# Altium PCB OCP-TimeCardMini-TI_V1.PcbDoc (part 7 of 11) (continued)
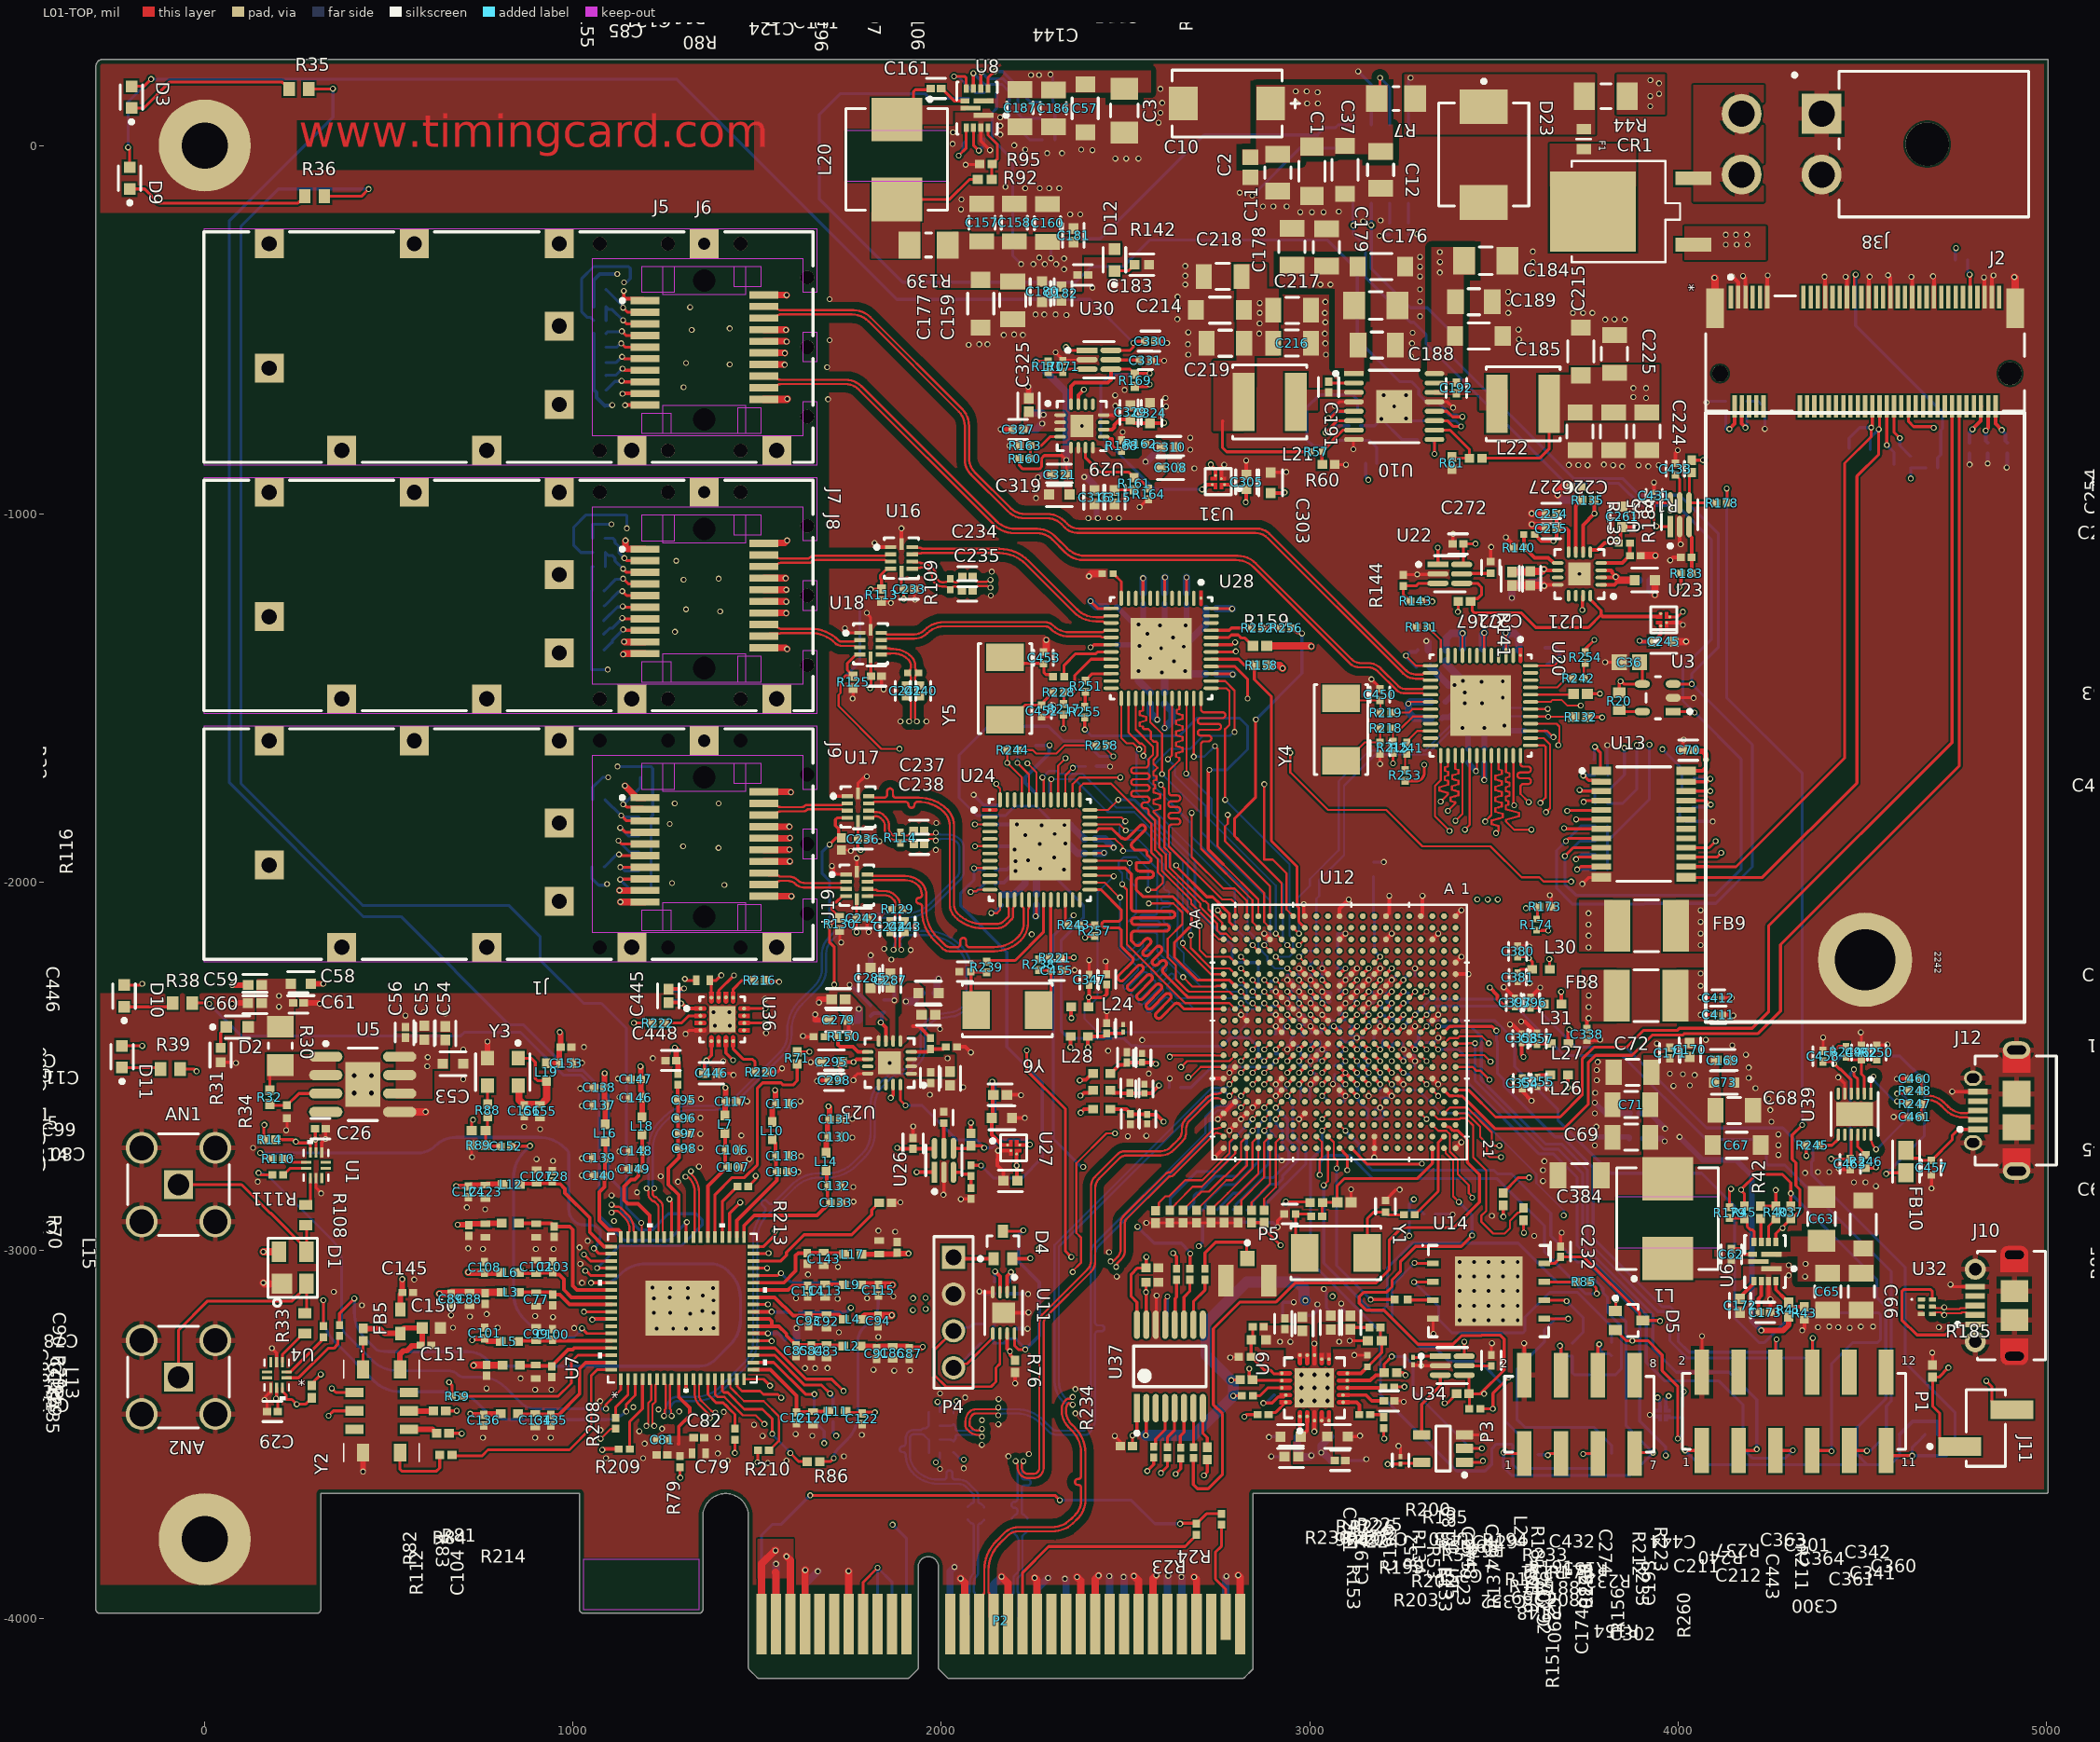
[diagram p0: L01-TOP view]
## Nets (pads, with @x,y where several pads share a name; then routed paths per layer and width w, separated by ;. In a path a pad name is that pad's centre, name@x,y a point inside that pad or via, vN(x,y) a via of type N, cw(c..) or ccw(c..) an arc to the next point about the centre after c; other vN are vias at no path point) (continued)
  L01-TOP w10: U7.27@1489.88,-3166.44 v1(1539.18,-3166.44)
  L10-BOT w10: v1(1539.18,-3166.44) 1540.15,-3167.41 1580.81,-3167.41 R58.1@1581.78,-3168.38
NetR59_2: R59.2 U7.70 | length 483.4
  L01-TOP w7.27: R59.2@700.76,-3396.22 959.48,-3396.22 995.17,-3360.53 995.17,-3302.43 1013.02,-3284.58 U7.70@1103.88,-3284.58
NetR62_1: R62.1 U2.2 | length 54.4
  L10-BOT w8: R62.1@3216.88,-210.63 3217.23,-210.29 3217.23,-156.84 U2.2@3217.57,-156.5
NetR64_1: R64.1 U2.1 | length 54.1
  L10-BOT w8: R64.1@3267.57,-210.63 U2.1@3267.57,-156.5
NetR69_2: R69.2 U14.1 | length 816.8
  L01-TOP w8: v1(3284.35,-3034.01) 3285.74,-3035.4 U14.1@3334.77,-3035.4 ; v1@3287.68,-3030.6 v1@3287.72,-3030.64
  L10-BOT w8: v1(3284.35,-3034.01) 3224.03,-3094.34 3224.03,-3186.95 3300.78,-3263.7 3340.64,-3263.7 3377.57,-3300.63 3460.62,-3300.63 3531.22,-3371.22 3531.22,-3463.38 3584.25,-3516.42 R69.2@3584.25,-3553.57
NetR76_1: R76.1 U11.7 | length 81.5
  L01-TOP w10: U11.7@2178.76,-3225.52 2178.76,-3266.83 v1(2186.04,-3274.11) 2187.19,-3275.25 2187.19,-3284.22 2200.17,-3297.2 R76.1@2200.17,-3298.19
NetR77_2: R77.2 U11.3 | length 89.8
  L01-TOP w10: v1(2146.01,-3057.01) 2159.08,-3070.07 U11.3@2159.08,-3113.28
  L10-BOT w10: R77.2@2144.1,-3084.31 2145.06,-3083.35 2145.06,-3057.96 v1(2146.01,-3057.01)
NetR78_1: R78.1 U11.2 | length 87.1
  L01-TOP w10: U11.2@2178.76,-3113.28 2178.76,-3068.9 v1(2189.11,-3058.55)
  L10-BOT w10: R78.1@2183.47,-3084.31 2187.96,-3079.81 2187.96,-3059.69 v1(2189.11,-3058.55)
NetR81_2: R81.2 Y2.6 | length 194
  L01-TOP w8: Y2.6@530.14,-3548.97 530.14,-3594.48 534.82,-3599.17 629.36,-3599.17 637.78,-3590.75 R81.2@637.78,-3555.36
NetR82_2: R82.2 Y2.1 | length 77.3
  L01-TOP w8: Y2.1@430.14,-3322.59 R82.2@430.14,-3245.28
NetR83_1: R83.1 Y2.7 | length 80.3
  L01-TOP w15: Y2.7@553.96,-3485.78 617.96,-3485.78 628.77,-3496.6 R83.1@629.76,-3496.6
NetR84_1: R84.1 Y2.8 | length 66.9
  L01-TOP w15: Y2.8@553.96,-3435.78 R84.1@620.88,-3435.78
NetR85_2: R85.2 U14.7 | length 90
  L01-TOP w8: U14.7@3637.65,-3084.88 U14.7@3637.13,-3085.4 3725.85,-3085.4 R85.2@3726.22,-3085.77
NetR88_1: R88.1 Y3.4 | length 50.2
  L01-TOP w8: R88.1@767.98,-2603.16 Y3.4@767.98,-2553.01
NetR90_2: R90.2 U8.3 | length 219.9
  L01-TOP w8: U8.3@2126.64,154.82 2126.64,184.03 2144.78,202.17 v1(2146.37,202.17)
  L10-BOT w8: v1(2146.37,202.17) 2147.53,201.01 2166.37,201.01 2231.31,136.07 2231.31,129.17 2242.64,117.84 R90.2@2270.87,117.84
NetR91_2: R91.2 U8.4 | length 297.4
  L01-TOP w8: U8.4@2106.95,154.82 2106.95,196.76 v1(2109.12,198.93)
  L10-BOT w8: v1(2109.12,198.93) 2126.96,181.09 2167.9,181.09 2207.78,141.21 2207.78,86.7 2220.31,74.17 2267.25,74.17 R91.2@2274.81,66.61
NetR92_1: R92.1 R95.2 U8.12 | length 158
  L01-TOP w8: U8.12@2126.64,48.52 2126.64,28.26 2152.13,2.77 2152.13,-35.54 2146.37,-41.3 2146.37,-42.28 2138.56,-50.09 R95.2@2137.57,-50.09 2136.53,-51.14 R92.1@2136.53,-91.92
NetR93_2: R93.2 U8.5 | length 348.5
  L01-TOP w8: v1(2086.8,196.17) 2086.8,155.29 U8.5@2087.27,154.82
  L10-BOT w8: v1(2086.8,196.17) 2116.85,166.12 2164.49,166.12 2184.26,146.35 2184.26,71.08 2239.8,15.54 R93.2@2274.81,15.54
NetR96_2: R96.2 U14.3 | length 69.2
  L01-TOP w8: R96.2@3266.4,-3133.33 3267.43,-3134.37 3333.73,-3134.37 U14.3@3334.77,-3135.4
NetR97_2: R97.2 U14.2 | length 814.8
  L01-TOP w8: v1(3283.55,-3085.77) 3283.92,-3085.4 U14.2@3334.77,-3085.4
  L10-BOT w8: v1(3283.55,-3085.77) 3350.52,-3152.74 3350.52,-3188.29 3385.56,-3223.33 3579.56,-3223.33 3584.25,-3218.64 3584.25,-3181.48 3652.01,-3113.72 3726.74,-3113.72 3819.68,-3206.66 R97.2@3819.68,-3250.5
NetR103_2: R103.2 U14.5 | length 728.3
  L01-TOP w8: U14.5@3639.5,-3187.78 U14.5@3637.13,-3185.4 3701.92,-3185.4 v1(3702.04,-3185.28)
  L10-BOT w8: v1(3702.04,-3185.28) 3667.87,-3185.28 3637.16,-3215.99 3637.16,-3248.43 3562.6,-3323 3562.6,-3458.66 3584.25,-3480.31 3770.89,-3480.31 3819.68,-3529.11 R103.2@3819.68,-3551.66
NetR104_2: R104.2 U14.6 | length 208.9
  L01-TOP w8: U14.6@3638.56,-3136.83 U14.6@3637.13,-3135.4 3695.5,-3135.4 v1(3697.63,-3137.53)
  L10-BOT w8: v1(3697.63,-3137.53) 3742.57,-3182.48 3742.57,-3221.99 R104.2@3712.6,-3251.97
NetR108_2: R108.2 U1.3 | length 79.1
  L01-TOP w8: R108.2@274.73,-2876.42 276.76,-2876.42 286.54,-2866.64 U1.3@286.54,-2803.4
NetR110_1: R110.1 U1.1 | length 66.7
  L01-TOP w8: R110.1@213.3,-2750.73 214.29,-2750.73 224.58,-2761.03 U1.1@275.79,-2761.03
NetR111_1: R111.1 U1.2 | length 70
  L01-TOP w8: R111.1@213.3,-2794.82 214.29,-2794.82 232.33,-2776.78 U1.2@275.79,-2776.78
NetR112_1: R112.1 U4.1 | length 201.8
  L01-TOP w8: U4.1@221.79,-3346.02 254.71,-3346.02 335.06,-3265.68 350.49,-3265.68 361.12,-3255.05 361.12,-3237.06 R112.1@365.96,-3232.22
NetR121_2: R121.2 R167.1 U13.3 | length 137
  L01-TOP w8: v1(3732.64,-1750.14) 3734.8,-1750.14 3737.61,-1752.95 U13.3@3791.9,-1752.95
  L10-BOT w8: v1(3732.64,-1750.14) 3734.04,-1751.55 3772.78,-1751.55 R121.2@3774.18,-1752.95 3774.18,-1785.43 R167.1@3775.17,-1786.42
NetR122_1: R122.1 U4.2 | length 142.4
  L01-TOP w8: U4.2@221.79,-3330.28 231.79,-3330.28 316.2,-3245.87 316.2,-3241.11 R122.1@322.04,-3235.27
NetR126_2: R126.2 U13.1 | length 108.7
  L01-TOP w8: v1(3774.36,-1632.59) 3789.1,-1647.32 3789.1,-1695.03 U13.1@3791.9,-1697.83
  L10-BOT w8: R126.2@3771.28,-1667.51 3772.83,-1665.95 3772.83,-1634.12 v1(3774.36,-1632.59)
NetR127_2: R127.2 U13.2 | length 87.9
  L01-TOP w8: v1(3742.79,-1711.03) 3744.95,-1711.03 3757.41,-1723.49 3788.03,-1723.49 U13.2@3791.9,-1727.36
  L10-BOT w8: v1(3742.79,-1711.03) 3744.17,-1709.64 R127.2@3774.18,-1709.64
NetR128_2: R128.2 U13.21 | length 122.6
  L01-TOP w8: U13.21@4022.21,-1778.54 4075.63,-1778.54 4086.52,-1789.43 v1(4088.68,-1789.43)
  L10-BOT w8: R128.2@4039.93,-1796.26 4079.69,-1796.26 4086.52,-1789.43 v1(4088.68,-1789.43)
NetR131_1: R131.1 U20.12 | length 93.4
  L01-TOP w5.8: R131.1@3319.09,-1306.99 3320.07,-1306.99 3355.67,-1342.59 U20.12@3355.67,-1384.66
NetR133_1: R133.1 U20.44 | length 117.4
  L01-TOP w5.8: U20.44@3599.79,-1490.98 3714.88,-1490.98 R133.1@3716.5,-1489.36
NetR134_2: R134.2 R137.2 U21.4 | length 120.4
  L01-TOP w10: U21.4@3791.45,-1133.62 3848.3,-1133.62 3868.43,-1113.49 R137.2@3869.42,-1113.49 3869.3,-1113.37 3869.3,-1079.59 R134.2@3869.19,-1079.48
NetR135_2: R135.2 R138.2 U21.7 | length 183.8
  L01-TOP w10: U21.7@3722.56,-1104.09 3722.56,-978.49 3730.36,-970.69 3730.36,-969.7 3737.17,-962.89 R135.2@3738.15,-962.89 3737.98,-962.73 3737.98,-927.6 R138.2@3737.82,-927.43
NetR136_2: R136.2 R140.2 U21.9 | length 144.4
  L01-TOP w10: R136.2@3581.06,-1056.16 3581.84,-1056.94 3581.84,-1091.14 R140.2@3582.62,-1091.91 3583.6,-1091.91 3610.69,-1119 3648.06,-1119 3662.67,-1133.62 U21.9@3673.34,-1133.62
NetR141_2: R141.2 U21.16 U22.4 U23.4 | length 751.2
  L01-TOP w8: U22.4@3412.72,-1188.66 3455.71,-1188.66 3466.23,-1199.18 3466.23,-1220.12 3456.22,-1230.14 3444.79,-1230.14 R141.2@3436.98,-1237.95 3441.54,-1242.5 3441.54,-1263.72 3446.22,-1268.41 3574.01,-1268.41 3614.17,-1308.56 3756.61,-1308.56 3791.26,-1273.92 3791.26,-1262.36 3761.93,-1233.02 U21.16@3761.93,-1222.2
  L01-TOP w10: 3791.26,-1273.92 3795.9,-1278.56 3927.8,-1278.56 3950.93,-1278.56
NetR143_2: R143.2 R144.1 U22.3 | length 146.5
  L01-TOP w8: R143.2@3273.01,-1236.5 3272.03,-1236.5 3253.88,-1218.36 R144.1@3253.88,-1195.62 3288.82,-1195.62 3295.78,-1188.66 U22.3@3348.14,-1188.66
NetR145_1: R145.1 U24.12 | length 101.2
  L01-TOP w5.8: v1(2079.56,-2026.67) 2081.51,-2024.72 2094.96,-2024.72 2099.16,-2020.52 U24.12@2131.87,-2020.52
  L10-BOT w8: v1(2079.56,-2026.67) 2081.09,-2025.14 2096.52,-2025.14 2116.12,-2005.54 R145.1@2117.1,-2005.54
NetR147_1: R147.1 U24.44 | length 166.9
  L01-TOP w5.8: v1(2206.3,-1676.01) 2238.19,-1707.9 U24.44@2238.19,-1776.4
  L10-BOT w5.8: v1(2206.3,-1676.01) 2206.3,-1641.96 2207.62,-1640.64 2207.62,-1639.65 2218.5,-1628.77 R147.1@2219.49,-1628.77
NetR148_2: R148.2 R151.2 U25.4 | length 100.7
  L01-TOP w10: U25.4@1918.22,-2461.03 1962.52,-2461.03 1964.62,-2458.93 1965.6,-2458.93 1970.44,-2454.09 R148.2@1970.44,-2453.1 2005.82,-2453.1 2011.67,-2447.25 R151.2@2012.66,-2447.25
NetR149_2: R149.2 R152.2 U25.7 | length 127.1
  L01-TOP w10: v1(1835.38,-2380.92) 1849.32,-2394.86 U25.7@1849.32,-2431.5
  L10-BOT w10: R152.2@1808.23,-2363.86 1808.23,-2362.88 1813.08,-2358.04 1814.06,-2358.04 1816.94,-2355.16 R149.2@1842.93,-2355.16 ; v1(1835.38,-2380.92) 1835.38,-2379.29 1838.2,-2376.47 1838.2,-2359.9 R149.2@1842.93,-2355.16 ; R149.2@1845.01,-2353.09 R149.2@1842.93,-2355.16
NetR150_2: R150.2 R153.2 U25.9 | length 148.2
  L01-TOP w10: R153.2@1682.61,-2419.68 1682.93,-2419.36 1719.34,-2419.36 R150.2@1719.65,-2419.04 1719.65,-2441.39 1725.51,-2447.25 1759.33,-2447.25 1773.11,-2461.03 U25.9@1800.11,-2461.03
NetR154_2: R154.2 U25.16 U26.4 U27.4 | length 578.3
  L01-TOP w8: U25.16@1888.69,-2549.61 1888.69,-2592.36 v1(1902.63,-2606.3) ; U26.4@2032.65,-2723.2 2072.77,-2723.2 R154.2@2080.31,-2715.66 2110.4,-2715.66 v1(2116.07,-2721.32)
  L01-TOP w10: U27.4@2212.98,-2713.49 2239.3,-2713.49 v1(2240.08,-2712.71)
  L10-BOT w8: v1(1902.63,-2606.3) 1947.78,-2606.3 2041.08,-2699.6 2094.34,-2699.6 v1(2116.07,-2721.32) 2137.9,-2721.32 2159.62,-2699.6 2224.91,-2699.6 2238.02,-2712.71 v1(2240.08,-2712.71)
NetR155_2: R155.2 R156.1 U26.3 | length 84.1
  L01-TOP w8: U26.3@2032.65,-2787.77 2053.19,-2787.77 2058.46,-2793.04 2074.88,-2793.04 R155.2@2080.31,-2798.47 R156.1@2080.31,-2830.45
NetR157_1: R157.1 U28.12 | length 76.5
  L01-TOP w8: R157.1@2466.2,-1162.63 2467.18,-1162.63 2488.45,-1183.9 U28.12@2488.45,-1229.38
NetR159_1: R159.1 U28.44 | length 128.7
  L01-TOP w8: U28.44@2732.57,-1335.7 2780.02,-1335.7 2787.03,-1328.69 2806,-1328.69 2814.66,-1337.35 2824.07,-1337.35 2845.06,-1358.34 R159.1@2846.04,-1358.34
NetR160_2: R160.2 R163.2 U29.4 | length 126.3
  L01-TOP w8: R160.2@2240.96,-850.03 2241.38,-849.61 2241.38,-815.15 R163.2@2241.8,-814.73 2271.05,-814.73 2294.93,-790.84 U29.4@2322.52,-790.84
NetR161_2: R161.2 R164.2 U29.7 | length 235.3
  L01-TOP w8: U29.7@2391.42,-820.37 2391.42,-848.43 2429.39,-886.39 2507.94,-886.39 2514.28,-892.73 2515.26,-892.73 2523.07,-900.54 2523.07,-902.51 2530.88,-910.32 2542.15,-910.32 2562.5,-930.67 R164.2@2562.5,-931.66
NetR162_2: R162.2 R168.2 U29.9 | length 119.3
  L01-TOP w8: U29.9@2440.63,-790.84 2451.96,-790.84 2457.32,-796.21 2463.82,-796.21 2463.82,-814.73 2471.76,-822.67 2483.19,-822.67 R168.2@2489.03,-828.51 ; R168.2@2489.03,-829.49 R168.2@2489.03,-828.51 ; R162.2@2524.69,-809.54 2523.71,-809.54 2510.58,-822.67 2494.87,-822.67 R168.2@2489.03,-828.51
NetR169_2: R169.2 U29.16 U30.4 U31.4 | length 957.9
  L01-TOP w8: U30.4@2460.21,-607.19 2511.76,-607.19 2516.57,-611.99 2517.55,-611.99 2525.36,-619.8 R169.2@2525.36,-620.79 2527.31,-618.84 v1(2565.61,-618.84)
  L01-TOP w10: U29.16@2352.05,-702.26 2352.05,-653.7 2361.72,-644.03 2451.96,-644.03 2460.21,-635.78 U30.4@2460.21,-607.19 ; v1(2707.98,-933.79) 2721.33,-920.44 U31.4@2735.67,-920.44
  L10-BOT w8: v1(2565.61,-618.84) 2563.66,-620.79 2525.36,-620.79 2524.67,-621.48 2460.21,-621.48 2433.01,-648.69 2433.01,-787.78 2579.01,-933.79 v1(2707.98,-933.79)
NetR170_2: R170.2 R171.1 U30.3 | length 109.7
  L01-TOP w8: R170.2@2289.88,-615.36 2290.28,-614.95 2329.34,-614.95 R171.1@2329.75,-614.55 2329.75,-613.57 2336.13,-607.19 U30.3@2395.64,-607.19
NetR183_2: R183.2 R184.1 U35.3 | length 129.8
  L01-TOP w10: U35.3@4030.06,-1034.75 4030.06,-1057.46 4036.98,-1064.38 R184.1@4036.98,-1118.39 4037.2,-1118.62 4037.2,-1161.32 R183.2@4037.42,-1161.54
NetR215_1: R215.1 U36.15 | length 2139.5
  L01-TOP w8: U36.15@1395.35,-2313.67 1395.35,-2294.63 1436.58,-2253.4 v3(1436.98,-2253.4) ; v1(3226.04,-1677.42) 3226.22,-1677.24 R215.1@3226.22,-1648.7
  L03-SIG w5.58: v3(1436.98,-2253.4) 1927.97,-2253.4 ccw(c1927.97,-2156.64) 1996.39,-2225.06 2084.05,-2137.39 cw(c2154.76,-2208.1) 2154.76,-2108.1 2586.96,-2108.1 ccw(c2586.96,-2008.1) 2657.67,-2078.81 2963.81,-1772.67 cw(c2985.27,-1794.13) 2985.27,-1763.78 3144.56,-1763.78 ccw(c3144.56,-1669.96) 3210.91,-1736.3 ccw(c3174.38,-1699.77) 3226.04,-1699.77 v1(3226.04,-1677.42)
NetR216_1: R216.1 U36.13 | length 88.1
  L01-TOP w8: U36.13@1434.72,-2313.67 1434.72,-2290.56 1458.55,-2266.73 R216.1@1489.88,-2266.73
NetR217_1: R217.1 U36.12 | length 1651.1
  L01-TOP w8: U36.12@1464.24,-2343.2 1522.08,-2343.2 v1(1522.58,-2342.7) ; v1(2331.49,-1582.57) 2331.9,-1582.16 R217.1@2331.9,-1545.11
  L03-SIG w5.58: v1(1522.58,-2342.7) 1516.91,-2342.7 cw(c1516.91,-2268.12) 1464.17,-2320.85 1430.62,-2287.31 ccw(c1410.86,-2307.08) 1410.86,-2279.12 cw(c1410.86,-2229.03) 1375.44,-2264.45 1364.43,-2253.44 cw(c1410.08,-2207.8) 1345.53,-2207.8 1345.53,-2198.42 cw(c1374.98,-2198.42) 1354.15,-2177.59 1394.35,-2137.39 cw(c1465.07,-2208.1) 1465.07,-2108.1 1532.18,-2108.1 ccw(c1532.18,-2022.75) 1592.53,-2083.1 1625.36,-2050.27 cw(c1693.23,-2118.14) 1693.23,-2022.16 1768.96,-2022.16 ccw(c1768.96,-1872.86) 1874.53,-1978.43 1899.78,-1953.18 ccw(c1829.07,-1882.47) 1929.07,-1882.47 1929.07,-1808.78 cw(c2024.61,-1808.78) 1957.05,-1741.22 2086.41,-1611.86 cw(c2157.12,-1682.57) 2157.12,-1582.57 v1(2331.49,-1582.57)
NetR220_1: R220.1 U36.8 | length 122.3
  L01-TOP w8: U36.8@1434.72,-2431.78 1434.72,-2453.37 1462.06,-2480.71 1486.5,-2480.71 1494.14,-2488.36 R220.1@1494.14,-2515.16
NetR221_1: R221.1 U36.10 | length 1029.1
  L01-TOP w8: U36.10@1464.85,-2382.57 1520.64,-2382.57 v1(1521.52,-2383.45) ; R221.1@2322.85,-2205.17 2358.58,-2205.17 v1(2359.28,-2204.48)
  L03-SIG w5.58: v1(1521.52,-2383.45) 1733.76,-2383.45 cw(c1733.76,-2450.14) 1780.91,-2402.98 ccw(c1842.91,-2340.98) 1842.91,-2428.66 2064.57,-2428.66 ccw(c2064.57,-2328.66) 2135.28,-2399.37 2309.59,-2225.06 cw(c2359.28,-2274.74) v1(2359.28,-2204.48)
NetR222_2: R222.2 U36.2 | length 106.3
  L01-TOP w8: R222.2@1247.28,-2382.28 1294.91,-2382.28 1314.31,-2362.88 U36.2@1345.53,-2362.88
NetR223_1: R223.1 U36.7 | length 1791.2
  L01-TOP w8: U36.7@1415.03,-2431.78 1415.03,-2464.02 v1(1434.72,-2483.71) ; v1(2935.21,-2867.31) 2936.46,-2868.56 3000.06,-2868.56 R223.1@3001.31,-2869.82
  L03-SIG w5.58: v1(1434.72,-2483.71) 1469.67,-2483.71 cw(c1469.67,-2553.92) 1519.32,-2504.27 1536.96,-2521.91 ccw(c1585.2,-2473.68) 1585.2,-2541.89 1589.52,-2541.89 cw(c1589.52,-2620.62) 1645.19,-2564.95 ccw(c1679.96,-2530.18) 1679.96,-2579.36 1741.35,-2579.36 cw(c1741.35,-2679.36) 1812.06,-2608.65 1876.39,-2672.97 ccw(c1947.1,-2602.26) 1947.1,-2702.26 2092.12,-2702.26 ccw(c2092.12,-2656.99) 2124.14,-2689 cw(c2157.87,-2722.74) 2157.87,-2675.03 2381.97,-2675.03 cw(c2381.97,-2775.03) 2452.68,-2704.32 2513.15,-2764.79 ccw(c2583.86,-2694.08) 2583.86,-2794.08 2879.49,-2794.08 cw(c2879.49,-2834.38) 2907.99,-2805.88 2911.02,-2808.91 cw(c2852.62,-2867.31) v1(2935.21,-2867.31)
NetR224_2: R224.2 U37.8 | length 111.3
  L01-TOP w8: U37.8@2709.97,-3428.12 2709.97,-3496.44 2722.02,-3508.49 R224.2@2722.02,-3534.45
NetR225_2: R225.2 U37.4 | length 117.9
  L01-TOP w8: R225.2@2576.32,-3533.07 2581.74,-3527.66 2581.74,-3512.25 2607.61,-3486.37 U37.4@2607.61,-3428.12
NetR226_2: R226.2 U37.5 | length 114
  L01-TOP w8: R226.2@2613.47,-3533.95 2614.17,-3533.25 2614.17,-3506.87 2633.2,-3487.84 U37.5@2633.2,-3428.12
NetR227_2: R227.2 U37.6 | length 111.9
  L01-TOP w8: R227.2@2649.92,-3535.16 2648.5,-3533.73 2648.5,-3503.71 2658.79,-3493.42 U37.6@2658.79,-3428.12
NetR230_2: R230.2 U37.7 | length 106.3
  L01-TOP w8: R230.2@2684.38,-3534.4 U37.7@2684.38,-3428.12
NetR231_2: R231.2 U37.12 | length 124.5
  L01-TOP w8: U37.12@2633.2,-3201.71 2634.72,-3200.2 2634.72,-3130.57 2638.66,-3126.63 R231.2@2638.66,-3079.5
NetR232_2: R232.2 U37.11 | length 128.7
  L01-TOP w8: U37.11@2658.79,-3201.71 2658.79,-3126.64 2674.54,-3110.89 R232.2@2674.54,-3079.5
NetR233_1: R233.1 U37.10 | length 135.2
  L01-TOP w8: U37.10@2684.38,-3201.71 2684.38,-3138.95 2715.83,-3107.5 R233.1@2715.83,-3079.5
NetR241_1: R241.1 U20.22 | length 81.9
  L01-TOP w5.8: R241.1@3260.35,-1622.16 3260.35,-1621.18 3292.12,-1589.4 U20.22@3328.09,-1589.4
NetR242_1: R242.1 U20.45 | length 124.9
  L01-TOP w5.8: U20.45@3599.79,-1471.29 3672.38,-1471.29 3697.01,-1446.66 R242.1@3714.53,-1446.66
NetR243_1: R243.1 U24.22 | length 71.9
  L01-TOP w8: U24.22@2336.61,-2048.1 2336.61,-2109.46 2343.39,-2116.23 R243.1@2344.37,-2116.23
NetR244_1: R244.1 U24.45 | length 151.6
  L01-TOP w5.8: R244.1@2178,-1641.6 2179.01,-1642.61 v1(2179.01,-1676.01) 2218.5,-1715.51 U24.45@2218.5,-1776.4
NetR245_1: R245.1 U39.7 | length 71.4
  L01-TOP w8: R245.1@4382.68,-2714.42 4418.34,-2714.42 4435.02,-2697.74 U39.7@4435.02,-2685.59
NetR246_1: R246.1 U39.10 | length 64.5
  L01-TOP w8: U39.10@4488.17,-2685.59 4488.17,-2718.82 R246.1@4510.26,-2740.92
NetR251_1: R251.1 U28.22 | length 77.9
  L01-TOP w8: R251.1@2391.42,-1453.2 2391.42,-1452.22 2409.51,-1434.13 U28.22@2460.87,-1434.13
NetR252_1: R252.1 U28.45 | length 112
  L01-TOP w8: U28.45@2732.57,-1316.02 2781.32,-1316.02 2787.34,-1309.99 R252.1@2842.03,-1309.99
NetU33_4: U33.4 U34.3 | length 182.9
  L01-TOP w8: U33.4@3304.17,-3500.44 3304.17,-3417.61 3354.86,-3366.92 U34.3@3354.86,-3338.5
OSPI0_CLK: P3.4 R104.1 U12.N20 | length 1675.6
  L01-TOP w5.8: U12.N20@3018.23,-2690.78 3033.17,-2705.72 3033.17,-2745.92 3027.12,-2751.96 v2(3027.12,-2794.92)
  L01-TOP w8: v1(3679.53,-3258.79) 3682.28,-3261.54 P3.4@3682.28,-3338.58
  L10-BOT w8: v2(3027.12,-2794.92) 3027.12,-2761.72 3046.41,-2742.43 3109.23,-2742.43 3171.96,-2805.17 3509.48,-2805.17 3637.08,-2932.77 3637.08,-3003.24 3707.41,-3073.58 3767.58,-3073.58 3796.44,-3102.44 3796.44,-3115.05 3808.25,-3126.85 3808.25,-3168.12 3845.84,-3205.72 3845.84,-3322.23 3830.51,-3337.56 3718.47,-3337.56 3712.6,-3331.69 R104.1@3712.6,-3287.4 3692.12,-3287.4 3681.06,-3276.33 3681.06,-3260.32 v1(3679.53,-3258.79)
OSPI0_CSN0: P3.3 R69.1 U12.L19 | length 1901.4
  L01-TOP w5.8: U12.L19@3081.22,-2659.28 v2(3096.97,-2675.03)
  L01-TOP w8: v1(3646.67,-3555.9) 3651.39,-3551.18 P3.3@3682.28,-3551.18
  L03-SIG w8: v1(3646.67,-3555.9) 3671.88,-3581.11 3942.61,-3581.11 v1(3966.89,-3556.83)
  L10-BOT w8: v2(3096.97,-2675.03) 3134.15,-2712.21 3134.15,-2746.47 3169.79,-2782.12 3500.12,-2782.12 3510.17,-2792.17 3548.1,-2792.17 3654.73,-2898.8 3654.73,-2959.49 3726.74,-3031.5 3752.38,-3031.5 3896.4,-3175.52 3896.4,-3463.64 3966.89,-3534.14 v1(3966.89,-3556.83) ; R69.1@3619.68,-3553.57 3620.85,-3554.73 3645.5,-3554.73 v1(3646.67,-3555.9)
OSPI0_CSN1: U12.L18
OSPI0_CSN2: U12.K17
OSPI0_CSN3: U12.L17
OSPI0_D0: P3.5 R103.1 U12.M19 | length 1737.2
  L01-TOP w5.8: v2(3033.97,-2675.03) U12.M19@3049.72,-2659.28
  L01-TOP w8: v1(3742.57,-3552.55) 3743.94,-3551.18 P3.5@3782.28,-3551.18
  L10-BOT w8: v2(3033.97,-2675.03) 3033.97,-2722.48 3002.48,-2753.97 3002.48,-3031.5 3191.68,-3220.71 3191.68,-3391.25 3399.29,-3598.85 3475.89,-3598.85 3494.74,-3580.01 3494.74,-3537.8 3506.75,-3525.79 3547.87,-3525.79 3551.18,-3529.11 3551.18,-3580.67 3562.6,-3592.08 3775.04,-3592.08 3783.81,-3583.32 3783.81,-3552.1 3743.02,-3552.1 v1(3742.57,-3552.55)
OSPI0_D1: P3.6 R97.1 U12.M18 | length 1294.2
  L01-TOP w5.8: v2(3033.97,-2643.53) U12.M18@3049.72,-2627.79
  L01-TOP w8: P3.6@3782.28,-3338.58 3782.28,-3258.64 v1(3786.16,-3254.76)
  L08-SIG w5.58: v2(3033.97,-2643.53) 3049.72,-2659.28 3049.72,-2782.12 3074.76,-2807.16 3074.76,-2846.84 3113.57,-2885.66 3236.22,-2885.66 3330.88,-2980.31 3565.81,-2980.31 3786.16,-3200.67 v1(3786.16,-3254.76)
  L10-BOT w8: v1(3786.16,-3254.76) 3787.69,-3256.29 3787.69,-3269.62 3798.59,-3280.52 3814.27,-3280.52 R97.1@3819.68,-3285.93
OSPI0_D2: R96.1 U12.M20 | length 557.9
  L01-TOP w5.8: U12.M20@3049.72,-2690.78 3065.47,-2706.53 3065.47,-2747.55 3075.52,-2757.6 3075.52,-2762.4 3075.13,-2762.8 3075.13,-2775.25 v2(3073.18,-2777.2)
  L01-TOP w8: v1(3165.49,-3133.33) R96.1@3230.96,-3133.33
  L10-BOT w8: v2(3073.18,-2777.2) 3073.18,-3041.02 v1(3165.49,-3133.33)
OSPI0_D3: R85.1 U12.M21 | length 1343.1
  L01-TOP w5.8: v2(3038.15,-2823.1) 3049.72,-2811.52 U12.M21@3049.72,-2722.27
  L01-TOP w8: R85.1@3761.66,-3085.77 3777.91,-3102.03 3777.91,-3115.54 v1(3779.44,-3117.07)
  L10-BOT w8: v2(3038.15,-2823.1) 3038.15,-3034.09 3168.75,-3164.69 3195.39,-3164.69 3211.03,-3149.06 3211.03,-3047.62 3278.33,-2980.31 3565.81,-2980.31 3672.07,-3086.58 3717.99,-3086.58 3748.48,-3117.07 v1(3779.44,-3117.07)
OSPI0_D4: U12.P21
OSPI0_D5: U12.P20
OSPI0_D6: U12.N18
OSPI0_D7: U12.M17
OSPI0_DQS: U12.N19
P0V75: C67.1 C68.1 C69.1 C71.1 C72.1 C73.1 C169.1 C170.1 C171.1 C365.1 C366.1 C367.1 C368.1 C369.1 C370.1 C371.1 C372.1 C373.1 C374.1 C375.1 C376.1 C377.1 C378.1 C382.1 C383.1 C384.2 L1.2 R41.2 U12.J10 U12.J12 U12.K9 U12.K11 U12.L8 U12.L12 U12.M9 U12.M11 U12.N8 U12.N10 U12.P9 | length 1432.6
  L01-TOP w10: v2(2970.98,-2328.57) U12.P9@2986.73,-2344.32 ; v2(3002.48,-2360.07) U12.N10@3018.23,-2375.82 ; v2(3002.48,-2297.08) U12.N8@3018.23,-2312.83 ; v2(3033.97,-2391.57) U12.M11@3049.72,-2407.31 ; v2(3033.97,-2328.57) U12.M9@3049.72,-2344.32 ; U12.L12@3081.22,-2438.81 v2(3096.97,-2454.56) ; U12.L8@3081.22,-2312.83 v2(3096.97,-2297.08) ; U12.K11@3112.71,-2407.31 v2(3128.46,-2391.57) ; U12.K9@3112.71,-2344.32 v2(3128.46,-2328.57) ; U12.J12@3144.21,-2438.81 v2(3159.96,-2454.56) ; U12.J10@3144.21,-2375.82 v2(3159.96,-2360.07)
  L01-TOP w15: v1(4226.3,-3217.17) 4285.66,-3217.17 4300.74,-3202.09 R41.2@4300.74,-3179.18
  L10-BOT w5.8: C376.1@2964.54,-2343.61 2966.34,-2343.61 2968.61,-2341.34 2968.61,-2339.54 2969.03,-2339.12 2969.03,-2330.53 v2(2970.98,-2328.57) ; C375.1@2996.1,-2282.14 2997.9,-2282.14 3000.17,-2284.41 3000.17,-2292.01 3002.48,-2294.32 v2(3002.48,-2297.08) ; C374.1@3027.93,-2313.42 3029.73,-2313.42 3032,-2315.69 3032,-2323.84 v2@3033.97,-2325.81 ; v2(3033.97,-2328.57) 3035.93,-2326.62 3054.41,-2326.62 3056.68,-2324.35 C383.1@3056.68,-2323.43
  L10-BOT w8: C382.1@2965.31,-2312.86 2967.11,-2312.86 2968.28,-2314.03 2968.28,-2323.71 2970.98,-2326.41 v2(2970.98,-2328.57) ; C369.1@3075.16,-2444.65 3076.33,-2445.82 3087.39,-2445.82 v2@3096.13,-2454.56 ; C367.1@3076.74,-2468.22 3079.88,-2465.08 3084.28,-2465.08 3094.8,-2454.56 v2@3096.13,-2454.56 ; v2(3096.97,-2454.56) v2@3096.13,-2454.56 ; C368.1@3149.5,-2460.84 3149.5,-2459.04 3150.67,-2457.87 3154.48,-2457.87 3157.79,-2454.56 v2(3159.96,-2454.56)
  L10-BOT w10: v2(3002.48,-2360.07) 3002.48,-2361.69 3007.58,-2366.8 3007.58,-2372.52 3007.76,-2372.7 C377.1@3009.55,-2372.7 ; C378.1@3028.24,-2407.31 3030.04,-2407.31 3030.21,-2407.14 3030.21,-2405.34 3032.83,-2402.73 3032.83,-2392.71 v2(3033.97,-2391.57) ; C373.1@3080.67,-2293.55 3080.67,-2295.35 3080.84,-2295.52 3082.64,-2295.52 3083.05,-2295.93 3095.82,-2295.93 v2(3096.97,-2297.08) ; C371.1@3109.31,-2393.42 3109.31,-2392.67 3109.48,-2392.49 3127.54,-2392.49 v2(3128.46,-2391.57) ; C372.1@3122.61,-2321.1 3128.46,-2326.95 v2(3128.46,-2328.57) ; C370.1@3146.92,-2353.8 3152.06,-2353.8 3158.34,-2360.07 v2(3159.96,-2360.07)
  L10-BOT w15: C366.1@3894.62,-2627.79 3923.42,-2627.79 v1(3964.69,-2669.06) ; C365.1@3904.21,-2696.51 3956.79,-2696.51 3963.87,-2703.59 v1(3964.14,-2703.59) ; v1(4004.13,-2691.65) 4066.27,-2753.79 4156.79,-2753.79 4200.47,-2797.47 4200.47,-3191.33 v1(4226.3,-3217.17)
  other v1: 3987.7,-2553.42 4032.17,-2551.63 4045.41,-2523.52 4013.33,-2521.55 3977.93,-2520.17
P0V75_EN: R37.2 R178.2 U6.3 | length 2222.2
  L01-TOP w8: v1(4132.15,-931.43) 4133.39,-932.68 R178.2@4133.39,-970.17 ; U6.3@4265.67,-2977.02 4265.67,-2954.15 4281.64,-2938.19 v1@4282.62,-2938.19 ; v1(4283.91,-2939.48) v1@4282.62,-2938.19 ; v1(4337.37,-2659.28) 4310.21,-2686.44 4310.21,-2752.15 4320,-2761.94 4320,-2824 4331.27,-2835.28 4331.27,-2892.43 4319.06,-2904.64 4314.2,-2904.64 4306.39,-2912.45 R37.2@4306.39,-2913.43 4306.39,-2914.42 v1@4282.62,-2938.19
  L10-BOT w8: v1(4132.15,-931.43) 4132.15,-1499.25 4337.37,-1704.47 v1(4337.37,-2659.28)
P0V75_PG: R45.2 R179.1 U6.6 | length 118.5
  L01-TOP w8: R179.1@4139.97,-2912.1 4178.9,-2912.1 R45.2@4180.24,-2913.43 4188.05,-2921.24 4188.05,-2935.42 4196.5,-2943.87 4201.93,-2943.87 4206.62,-2948.56 U6.6@4206.62,-2977.02
P0V85: C193.2 C210.1 C211.1 C212.1 C213.1 C407.1 C408.1 C409.1 C410.1 L24.1 L26.1 L28.1 R50.2 U9.11 U9.12 U12.K13 U12.L10 U12.M13 | length 1041.5
  L01-TOP w5.8: U12.K13@3112.71,-2470.31 v2(3128.46,-2486.05)
  L01-TOP w8: v1(3108.51,-3245.37) 3158.16,-3245.37 R50.2@3158.26,-3245.27 ; C211.1@3110.14,-3214.14 3115.05,-3209.24 C193.2@3162.37,-3209.24
  L01-TOP w10: v1(2350.19,-2448.58) 2350.39,-2448.38 2350.39,-2419.36 L28.1@2350.71,-2419.04 ; L24.1@2352.36,-2338.96 2352.36,-2368.27 v1(2353.06,-2368.97) ; v2(3033.97,-2486.05) U12.M13@3049.72,-2470.31 ; U12.L10@3081.22,-2375.82 v2(3096.97,-2360.07) ; L26.1@3700.79,-2523.52 3700.79,-2557.19 v1(3701.3,-2557.71)
  L05-PWR w20: 3110.14,-2715.55 3304.6,-2715.55 3393.51,-2626.64 3647.05,-2626.64 3701.3,-2572.38 v1(3701.3,-2557.71)
  L10-BOT w5.8: C407.1@3056.85,-2370.6 3056.85,-2370.81 3061.89,-2375.85 3096.1,-2375.85 3096.8,-2375.15 3096.8,-2360.24 v2(3096.97,-2360.07)
  L10-BOT w8: C409.1@3020.53,-2480.34 3020.53,-2482.14 3021.7,-2483.31 3029.07,-2483.31 3031.81,-2486.05 v2(3033.97,-2486.05) ; v2(3128.46,-2486.05) 3128.46,-2488.22 3132.29,-2492.04 3132.29,-2498.26 3133.46,-2499.43 C410.1@3135.26,-2499.43
  L10-BOT w10: C408.1@3080.96,-2354.8 3080.96,-2356.6 3083.1,-2358.74 3094.01,-2358.74 3095.34,-2360.07 v2(3096.97,-2360.07)
  other v1: 3080.11,-3247.88
P0V85_EN: R49.2 R179.2 | length 1906.9
  L01-TOP w8: v1(2822.67,-3451.38) 2828.27,-3445.79 R49.2@2858.88,-3445.79 ; R179.2@4139.97,-2882.57 4139.97,-2837.02 v1(4143.86,-2833.14)
  L03-SIG w5.58: v1(2822.67,-3451.38) 2822.67,-3383.14 2895.38,-3310.44 3268.66,-3310.44 3323.9,-3365.68 3874.69,-3365.68 4143.86,-3096.5 v1(4143.86,-2833.14)
P0V85_PG: R63.2 U9.9 U33.2 | length 597.8
  L01-TOP w8: R63.2@3202.42,-3331.51 3202.42,-3308.45 v1(3222.95,-3287.92) ; U33.2@3420.32,-3537.84 3420.54,-3537.61 3467.36,-3537.61 v1(3467.59,-3537.39)
  L01-TOP w10: U9.9@3101.93,-3353.31 3164.64,-3353.31 3179.62,-3338.32 3195.61,-3338.32 R63.2@3202.42,-3331.51
  L10-BOT w8: v1(3222.95,-3287.92) 3257.57,-3287.92 3280.76,-3311.11 3280.76,-3380.71 3437.44,-3537.39 v1(3467.59,-3537.39)
P1V1_PHY0: C250.1 C251.1 C252.1 C253.1 C254.1 C255.1 R136.1 U20.6 U20.31 U20.39 U21.8 | length 2508.6
  L01-TOP w5.8: v1@3473.77,-1722.51 U20.31@3473.78,-1656.36 ; U20.6@3473.78,-1384.66 v1(3473.78,-1323.13) ; U20.39@3599.79,-1589.4 3645.06,-1589.4 v1(3662.01,-1606.36)
  L01-TOP w10: R136.1@3610.59,-1056.16 3611.57,-1056.16 3628.81,-1073.41 v1(3662.01,-1073.41) 3670.24,-1065.17 C255.1@3670.24,-1040.14 ; C254.1@3670.24,-999.45 C255.1@3670.24,-1040.14 ; U21.8@3702.87,-1104.09 3702.87,-1046 3697.01,-1040.14 C255.1@3670.24,-1040.14
  L05-PWR w20: v1(3473.75,-1722.53) 3448.54,-1747.74 3421.39,-1747.74 3409.67,-1736.02 3409.67,-1734.45 3204.64,-1529.42 3204.64,-1479.26 3228.62,-1455.29 3260.11,-1455.29 ; v1(3473.78,-1323.13) 3473.78,-1231.6 3543.49,-1161.9 ; v1(3662.01,-1606.36) 3593.37,-1537.72 3546.61,-1537.72 3534.49,-1549.84 3407.34,-1549.84 3312.79,-1455.29 3260.11,-1455.29 ; v1(3662.01,-1073.41) 3631.98,-1073.41 3543.49,-1161.9 ; 3260.11,-1455.29 3260.11,-1439.86 3212.95,-1392.7 3212.95,-1277.86 3328.92,-1161.9 3543.49,-1161.9
  L10-BOT w10: C250.1@3638.15,-1589.15 3654.21,-1605.21 3660.86,-1605.21 v1(3662.01,-1606.36) ; v1(3662.01,-1073.41) 3662.01,-1071.78 3670.24,-1063.55 C253.1@3670.24,-999.45
  L10-BOT w15: v1@3473.77,-1722.51 C251.1@3473.78,-1674.72
  L10-BOT w20: C252.1@3469.07,-1365.82 3469.07,-1327.84 v1(3473.78,-1323.13)
P1V1_PHY1: C308.1 C309.1 C310.1 C311.1 C312.1 C313.1 R162.1 U28.6 U28.31 U28.39 U29.8 | length 1790.8
  L01-TOP w5.8: v1(2606.21,-1581.15) 2606.39,-1580.97 2606.39,-1501.25 U28.31@2606.56,-1501.08
  L01-TOP w8: U28.6@2606.56,-1229.38 2606.56,-1173.26 v1(2607.03,-1172.79) ; U28.39@2732.57,-1434.13 2787.03,-1434.13 2788.93,-1436.02 v1(2791.09,-1436.02)
  L05-PWR w20: v1(2554.22,-858.27) 2585.47,-858.27 2836.71,-1109.52 2836.71,-1292.73 ; v1(2606.21,-1581.15) 2678.58,-1581.15 2704.99,-1554.74 2704.99,-1522.13 v1(2791.09,-1436.02) 2836.71,-1390.4 2836.71,-1292.73 ; v1(2607.03,-1172.79) 2642.02,-1137.8 2693.14,-1137.8 2727.6,-1172.26 2727.6,-1272.56 2747.77,-1292.73 2836.71,-1292.73
  L10-BOT w20: v1(2554.22,-858.27) 2558.25,-858.27 2598.19,-818.33 C309.1@2599.5,-818.33 ; v1(2606.21,-1581.15) 2626.25,-1561.12 2626.25,-1536.51 2606.56,-1516.82 C312.1@2606.56,-1515.47 ; C311.1@2606.56,-1214.99 2606.56,-1173.26 v1(2607.03,-1172.79) ; C313.1@2746.96,-1434.13 2789.19,-1434.13 v1(2791.09,-1436.02)